# Altium PCB 瓦力驱动.PcbDoc (part 2 of 2)
Units mm, origin at the board's own origin, x right, y up, seen from the top; angles counter-clockwise.
Board outline 99.95 x 90 mm, 2 copper layers (Top Layer, Bottom Layer); 138 components, 102 nets, 483 pads, 250 vias.
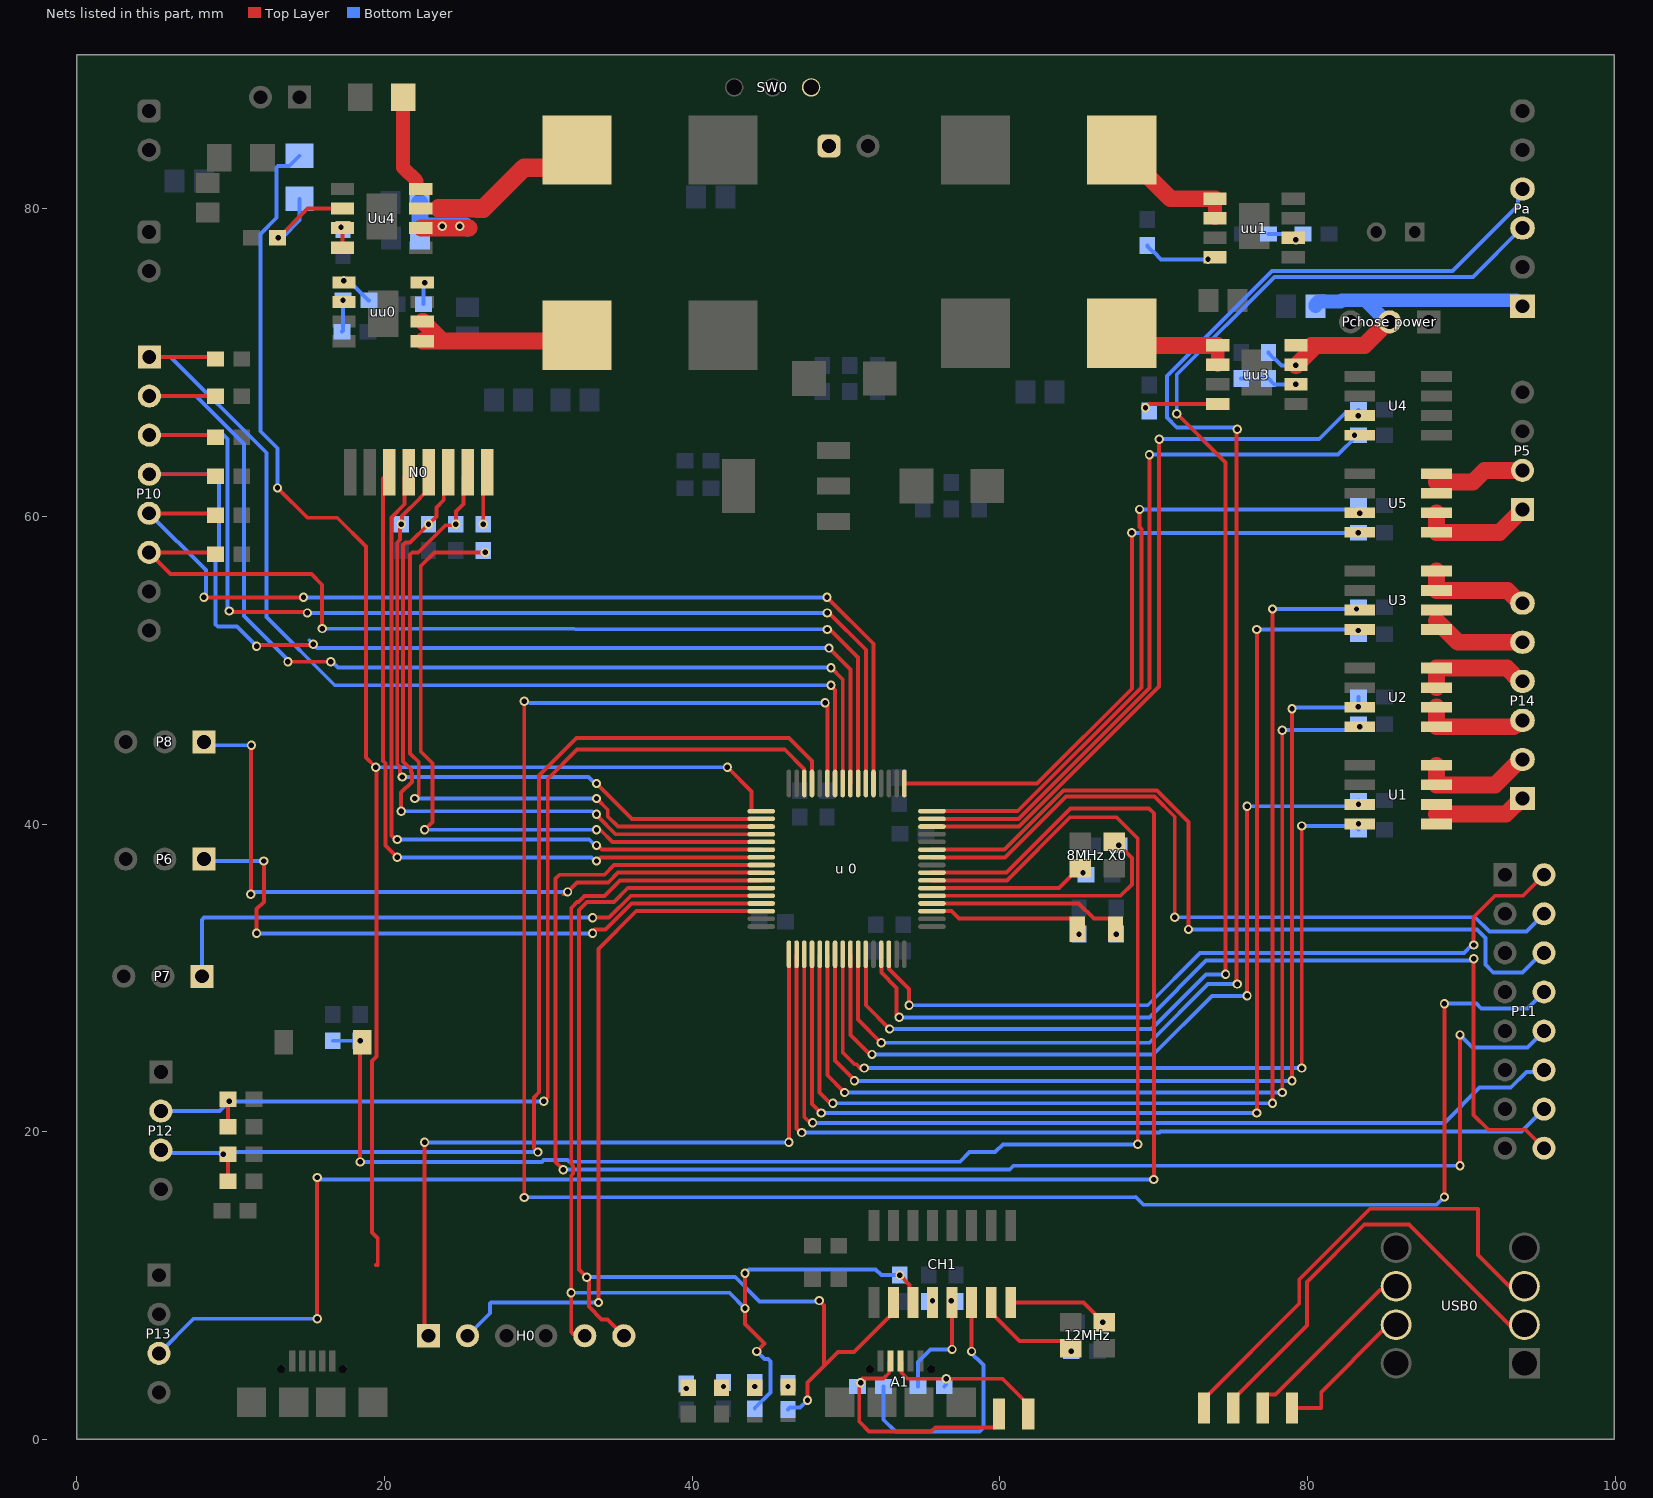
[diagram p2: the nets of this part, all layers, seen from the top]

## Via types
v1: diameter 0.6, hole 0.35, Top Layer to Bottom Layer, 246 vias
v2: diameter 3, hole 2.5, Top Layer to Bottom Layer, 4 vias

## Nets (pads, with @x,y where several pads share a name; then routed paths per layer and width w, separated by ;. In a path a pad name is that pad's centre, name@x,y a point inside that pad or via, vN(x,y) a via of type N, cw(c..) or ccw(c..) an arc to the next point about the centre after c; other vN are vias at no path point) (continued)
M2A: P5.2 U5.7 U5.8 | length 5.9
  Top Layer w1.1: 88.392,62.23 90.751,62.23 91.513,62.992 P5.2@93.98,62.992
M2B: P5.1 U5.5 U5.6 | length 7.5
  Top Layer w1.1: U5.6@88.392,60.23 U5.5@88.392,58.96 92.488,58.96 P5.1@93.98,60.452
MPU_CLS: "u 0.29" CC22.1 CR22.2 P12.3 | length 71.8
  Top Layer w0.254: CC22.1@9.818,16.764 CR22.2@9.818,18.542 ; v1@29.845,18.796 29.718,18.923 29.718,22.225 30.051,22.558 30.051,43.166 32.479,45.593 46.295,45.593 47.779,44.109 47.779,42.643 47.788,42.634
  Bottom Layer w0.254: P12.3@5.461,18.796 5.649,18.608 9.459,18.608 v1(9.525,18.542) 9.652,18.669 v1(29.972,18.669)
MPU_SDA: "u 0.30" CC23.1 CR23.2 P12.2 | length 66.7
  Top Layer w0.254: CR23.2@9.818,20.32 CC23.1@9.818,22.098 ; v1@30.48,22.098 30.61,22.228 30.61,42.929 32.512,44.831 46.016,44.831 47.279,43.567 47.279,42.643 47.288,42.634
  Bottom Layer w0.254: P12.2@5.461,21.336 9.271,21.336 v1(9.906,21.971) v1(30.353,21.971)
Net3.7V电池_1: 3.7V电池.1 SW0.3
Net12MHz_1: 12MHz.1 CC17.2 CH1.7 | length 6.8
  Top Layer w0.254: CH1.7@59.436,8.89 59.436,8.24 61.283,6.393 64.129,6.393 12MHz.1@64.602,5.92
  other v1: 64.643,5.715
Net12MHz_2: 12MHz.2 CC18.2 CH1.8 | length 6.6
  Top Layer w0.254: CH1.8@60.706,8.89 65.432,8.89 v1(66.702,7.62) 12MHz.2@66.802,7.62
NetA1_2: A1.2 CR7.1 H7.1 | length 15.8
  Top Layer w0.254: A1.2@52.887,5.088 52.814,5.015 52.814,4.328 52.447,3.961 51.066,3.961 50.788,3.683 50.864,3.607 50.864,1.152 51.508,0.508 55.537,0.508 55.807,0.778 59.671,0.778 59.944,1.051 H7.1@59.944,1.651
  other v1: 50.949,3.683
NetA1_3: A1.3 CR6.1 H6.1 | length 11.1
  Top Layer w0.254: A1.3@53.537,5.088 53.61,5.015 53.61,4.328 54.001,3.937 v1(56.515,3.937) 60.163,3.937 61.849,2.251 H6.1@61.849,1.651
  Bottom Layer w0.254: CR6.1@56.388,3.429 56.515,3.556 v1(56.515,3.937)
NetC4_2: C4.2 R0.2 Uu4.6 | length 7.8
  Top Layer w1.1: Uu4.6@22.353,78.74 25.5,78.74
  Bottom Layer w1.1: R0.2@22.286,80.391 22.303,80.374 22.303,78.867 25.273,78.867 25.4,78.74
  other v1: 23.749,78.867 24.892,78.867
NetC10_1: "Pchose power.2" C10.1 Pa.1 R13.1 uu3.7 uu3.8 | length 25.5
  Top Layer w1.1: v1(79.248,69.811) 80.264,70.827 80.264,71.12 83.712,71.12 85.236,72.644 85.344,72.644
  Bottom Layer w0.254: R13.1@77.47,70.661 77.47,70.611 77.843,70.238 77.893,70.238 78.32,69.811 v1@79.121,69.811
  Bottom Layer w0.9: C10.1@80.518,73.66 80.518,73.76 80.718,73.96 82.14,73.96 82.224,74.044 83.782,74.044 ; 85.344,72.644 85.182,72.644 83.782,74.044 ; Pa.1@93.98,73.66 93.596,74.044 83.782,74.044
NetCC19_2: CC19.2 CH1.4
  other v1: 55.626,9.017
NetCH1_5: CH1.5 CR6.2 CR8.1 | length 7.2
  Top Layer w0.254: v1(56.896,5.842) CH1.5@56.896,8.89
  Bottom Layer w0.254: CR6.2@54.688,3.429 54.688,5.031 55.499,5.842 v1(56.896,5.842)
  other v1: 56.848,9.017
NetCH1_6: CH1.6 CR7.2 | length 17.8
  Top Layer w0.254: v1(58.166,5.715) CH1.6@58.166,8.89
  Bottom Layer w0.254: CR7.2@52.451,3.429 52.451,1.27 53.213,0.508 58.674,0.508 58.928,0.762 58.928,4.826 58.039,5.715 v1(58.166,5.715) v1@58.293,5.715
NetCR4_1: CR4.1 LED0.2
  other v1: 42.037,3.429
NetCR5_1: "LED P.2" CR5.1
  other v1: 39.624,3.302
NetCR9_2: "LED 1.2" CR9.2
  other v1: 44.069,3.429
NetCR10_2: "LED 2.2" CR10.2
  other v1: 46.228,3.429
NetCR30_1: CR30.1 N0.8 | length 3.5
  Top Layer w0.254: v1(26.416,59.485) 26.416,62.611 N0.8@26.67,62.865
NetH1_1: H1.1 USB0.7 | length 8.8
  Top Layer w0.254: H1.1@78.994,2.032 80.899,2.032 80.899,3.086 USB0.7@85.012,7.199
NetH2_1: H2.1 USB0.6 | length 11.5
  Top Layer w0.254: H2.1@77.089,2.032 77.089,2.632 77.362,2.905 77.914,2.905 84.708,9.699 USB0.6@85.012,9.699
NetH3_1: H3.1 USB0.2 | length 27.9
  Top Layer w0.254: H3.1@75.184,2.032 75.184,2.632 79.96,7.408 79.96,10.237 83.693,13.97 86.591,13.97 USB0.2@93.362,7.199
NetH4_1: H4.1 USB0.3 | length 30.7
  Top Layer w0.254: H4.1@73.279,2.032 73.279,2.632 79.466,8.819 79.466,10.385 84.067,14.986 91.074,14.986 91.074,11.987 USB0.3@93.362,9.699
NetL0_2: L0.2 uu0.1 uu0.2 | length 12.1
  Top Layer w1.1: uu0.1@22.452,71.393 23.772,71.393 ; uu0.2@22.452,72.663 22.502,72.663 23.772,71.393 ; L0.2@32.512,71.774 32.131,71.393 23.772,71.393
NetL1_2: L1.2 uu1.1 uu1.2 | length 8.7
  Top Layer w0.9: uu1.2@73.994,79.375 uu1.1@73.994,80.645
  Top Layer w1.1: L1.2@67.92,83.82 71.095,80.645 uu1.1@73.994,80.645
NetL2_2: L2.2 uu3.1 uu3.2 | length 7.8
  Top Layer w0.9: uu3.2@74.168,69.85 uu3.1@74.168,71.12
  Top Layer w1.1: L2.2@67.92,71.901 68.701,71.12 uu3.1@74.168,71.12
NetL3_1: L3.1 Uu4.7 | length 10.6
  Top Layer w1.2: 23.534,80.02 26.03,80.02 26.04,80.01 26.416,80.01 29.083,82.677 31.369,82.677 L3.1@32.512,83.82
NetR6_2: R6.2 uu0.4 | length 1.4
  Bottom Layer w0.254: v1@22.479,75.184 22.528,75.135 R6.2@22.528,73.787
  other v1: 22.606,75.184
NetR7_2: R7.2 R8.1 uu0.6 | length 2.1
  Bottom Layer w0.254: R7.2@17.223,72.009 17.297,72.083 v1(17.297,74.041)
NetR8_2: R8.2 uu0.5 | length 2.1
  Bottom Layer w0.254: v1@17.399,75.311 17.677,75.311 18.947,74.041 R8.2@18.997,74.041
  other v1: 17.35,75.311
NetR9_2: R9.2 uu1.4 | length 4.2
  Bottom Layer w0.254: R9.2@69.596,77.597 69.596,77.547 69.969,77.174 70.019,77.174 70.485,76.708 v1@73.406,76.708
  other v1: 73.533,76.708
NetR10_2: R10.2 R11.1 uu1.6 | length 2.2
  Bottom Layer w0.254: R10.2@77.47,78.359 R11.1@79.707,78.359
  other v1: 79.248,77.978
NetR12_2: R12.2 uu3.4 | length 4.8
  Top Layer w0.254: v1(69.469,67.056) 69.723,67.31 uu3.4@74.168,67.31
NetR13_2: R13.2 R14.1 uu3.6 | length 3.7
  Bottom Layer w0.254: R14.1@75.692,68.961 R13.2@77.47,68.961 77.47,68.953 77.843,68.58 v1(79.249,68.58)
NetR15_2: R15.2 Uu4.3 Uu4.4 | length 1.3
  Top Layer w0.254: Uu4.4@17.272,77.47 Uu4.3@17.272,78.74
  other v1: 17.17,78.789
NetRchoose_1: Rchoose.1 Uu4.8 | length 6.6
  Top Layer w0.9: Rchoose.1@21.209,87.249 21.209,82.677 22.098,81.788 22.098,81.33 22.148,81.28 Uu4.8@22.353,81.28
NRST: "u 0.7" CC5.2 CR1.2 K0.2 | length 96.3
  Top Layer w0.254: v1(18.415,18.034) 18.415,25.696 K0.2@18.542,25.823 ; 55.588,36.334 60.464,36.334 64.566,40.436 67.597,40.436 68.964,39.069 68.964,19.18 v1(68.961,19.177)
  Bottom Layer w0.254: CC5.2@16.637,25.908 v1(18.415,25.908) ; v1(18.415,18.034) 30.224,18.034 30.343,18.153 31.883,18.153 31.994,18.042 57.412,18.042 58.039,18.669 59.69,18.669 60.198,19.177 v1(68.961,19.177)
OCS_32_IN: "32KHz X0.2" "u 0.3" CC3.2 | length 10.1
  Top Layer w0.254: 55.588,34.334 56.869,34.334 57.358,33.845 64.651,33.845 65.024,33.472 65.024,33.147
  other v1: 65.151,32.844
OCS_32_OUT: "32KHz X0.1" "u 0.4" CC4.2 | length 12.8
  Top Layer w0.254: 55.588,34.834 65.124,34.834 66.113,33.845 67.151,33.845 67.524,33.472 67.524,33.147
  other v1: 67.564,32.844
OCS_IN: "8MHz X0.1" "u 0.5" CC1.2 | length 16.6
  Top Layer w0.254: 55.588,35.334 67.846,35.334 68.58,36.068 68.58,37.791 67.537,38.834 67.437,38.834
  other v1: 67.74,38.608
OCS_OUT: "8MHz X0.2" "u 0.6" CC2.2 | length 10.2
  Top Layer w0.254: 55.588,35.834 63.837,35.834 65.137,37.134 65.237,37.134
  other v1: 65.405,36.83
PA0: "u 0.14" C18.2 U4.3 | length 48.4
  Top Layer w0.254: 55.588,39.834 61.249,39.834 70.358,48.943 v1(70.358,65.02)
  Bottom Layer w0.254: v1(70.358,65.02) 80.768,65.02 82.423,66.675 83.058,66.675 C18.2@83.312,66.929
  other v1: 83.298,66.548
PA1: "u 0.15" CR19.2 U4.4 | length 46.5
  Top Layer w0.254: 55.588,40.334 61.206,40.334 69.723,48.851 v1@69.723,63.754
  Bottom Layer w0.254: v1(69.723,64.008) 81.992,64.008 CR19.2@83.16,65.176 ; CR19.2@83.262,65.278 CR19.2@83.312,65.278
  other v1: 83.058,65.278
PA2: "u 0.16" CR20.2 U5.3 | length 42.9
  Top Layer w0.254: 55.588,40.834 61.163,40.834 69.207,48.878 69.207,59.188 69.088,59.307 v1@69.088,60.325
  Bottom Layer w0.254: v1(69.088,60.452) 83.044,60.452 83.298,60.198 v1(83.392,60.198)
PA3: "u 0.17" CR21.2 U5.4 | length 42.3
  Top Layer w0.254: 53.788,42.634 62.42,42.634 68.58,48.794 68.58,58.839 v1@68.701,58.96
  Bottom Layer w0.254: v1(68.58,58.928) v1(83.312,58.928)
PA5\: "u 0.21" CR25.1 P10.5 | length 65.3
  Top Layer w0.254: P10.5@4.699,60.198 8.89,60.198 CR25.1@9.017,60.071 ; v1(8.255,54.737) v1(14.732,54.737) ; v1(48.768,54.737) 51.788,51.717 51.788,42.634
  Bottom Layer w0.254: P10.5@4.699,60.198 8.382,56.515 8.382,54.864 v1(8.255,54.737) ; v1(14.732,54.737) v1(48.768,54.737)
PA6: "u 0.22" CR27.1 P10.3 | length 72
  Top Layer w0.254: P10.3@4.709,65.278 8.89,65.278 CR27.1@9.017,65.151 ; v1(9.906,53.848) 9.97,53.785 14.922,53.785 v1(14.986,53.721) ; v1@48.895,53.721 51.288,51.328 51.288,42.634
  Bottom Layer w0.254: P10.3@4.709,65.278 9.521,65.278 9.779,65.02 9.779,53.975 v1(9.906,53.848) ; v1@14.859,53.594 v1(14.986,53.721) v1(48.788,53.721)
PA7: "u 0.23" CR24.1 P10.6 | length 63
  Top Layer w0.254: CR24.1@9.017,57.531 8.89,57.658 P10.6@4.699,57.658 6.096,56.261 15.24,56.261 15.947,55.554 v1(15.947,52.705) ; v1@48.895,52.705 50.788,50.812 50.788,42.634
  Bottom Layer w0.254: v1(15.947,52.705) v1(48.788,52.642)
PA8: "u 0.41" P8.1 | length 47
  Top Layer w0.254: v1(11.303,35.433) 11.325,35.455 11.325,45.096 v1(11.347,45.118) ; 31.623,35.433 31.774,35.584 v1(31.903,35.584) 32.517,36.197 34.546,36.197 35.183,36.834 44.488,36.834
  Bottom Layer w0.254: P8.1@8.255,45.339 8.476,45.118 v1(11.347,45.118) ; v1(11.303,35.433) 11.454,35.584 v1(31.903,35.584)
PA9: "u 0.42" CH1.3 CR9.1 CR11.1 H0.5 | length 75.6
  Top Layer w0.254: 32.258,6.858 32.139,6.977 32.139,17.155 32.25,17.266 32.25,17.786 32.139,17.897 32.139,34.552 32.512,34.925 32.609,34.925 33.002,35.319 34.303,35.319 35.318,36.334 44.488,36.334 ; v1(43.434,10.795) v1(43.434,8.509) 43.434,7.493 44.704,6.223 v1(44.196,5.715) ; v1(53.506,10.668) 54.133,10.041 54.133,9.113 CH1.3@54.356,8.89
  Bottom Layer w0.254: v1(32.131,9.525) 42.418,9.525 v1(43.434,8.509) ; v1(43.434,10.795) 43.688,11.049 51.926,11.049 52.307,10.668 v1(53.506,10.668) ; CR9.1@44.069,1.983 44.069,2.033 45.084,3.048 45.084,5.058 44.935,5.207 44.704,5.207 v1(44.196,5.715)
PA10: "u 0.43" CH1.2 CR10.1 H0.6 | length 72.4
  Top Layer w0.254: H0.6@35.56,6.731 34.491,7.8 34.112,7.8 33.282,8.63 33.282,10.406 32.639,11.049 32.639,12.192 32.649,12.202 32.649,34.422 33.161,34.935 34.915,34.935 35.814,35.833 44.487,35.833 ; v1(47.498,2.54) 47.498,3.681 48.578,4.762 ; v1(48.26,9.017) 48.578,8.699 48.578,4.762 ; CH1.2@53.086,8.89 53.086,8.24 50.511,5.665 49.482,5.665 48.578,4.762
  Bottom Layer w0.254: v1(33.147,10.541) 42.801,10.541 44.374,8.968 v1@48.133,8.968 ; CR10.1@46.228,1.944 46.342,2.058 47.016,2.058 v1(47.498,2.54)
PA11: "u 0.44" P7.1 | length 40.7
  Top Layer w0.254: v1(33.528,33.909) 34.592,33.909 36.017,35.334 44.488,35.334
  Bottom Layer w0.254: P7.1@8.128,30.099 8.128,33.76 8.277,33.909 v1(33.528,33.909)
PA12: "u 0.45" P6.1 | length 42.5
  Top Layer w0.254: v1(11.684,32.893) 11.684,34.464 12.155,34.935 v1(12.155,37.592) ; v1(33.528,32.893) 33.528,32.987 33.677,33.135 33.677,33.147 34.373,33.147 36.06,34.834 44.488,34.834
  Bottom Layer w0.254: P6.1@8.255,37.719 8.382,37.592 v1(12.155,37.592) ; v1(11.684,32.893) v1(33.528,32.893)
PA13: "u 0.46" H0.2 | length 44.4
  Top Layer w0.254: v1(33.909,8.89) 33.909,31.877 36.366,34.334 44.488,34.334
  Bottom Layer w0.254: H0.2@25.4,6.731 26.863,8.194 26.863,8.829 26.924,8.89 v1(33.909,8.89)
PA14: "u 0.49" H0.1 | length 48.8
  Top Layer w0.254: v1(22.606,19.304) 22.606,6.985 H0.1@22.987,6.604 ; v1(46.288,19.304) 46.288,31.534
  Bottom Layer w0.254: v1(22.606,19.304) v1(46.288,19.304)
PA15: "u 0.50" P11.14 | length 60.7
  Top Layer w0.254: 46.788,31.534 46.788,20.215 47.064,19.939 v1(47.117,19.939)
  Bottom Layer w0.254: v1(47.117,19.939) 70.392,19.939 70.453,20 93.914,20 P11.14@95.377,21.463
PB0: "u 0.26" CR29.1 P10.1 | length 70.3
  Top Layer w0.254: P10.1@4.709,70.358 8.89,70.358 CR29.1@9.017,70.231 ; v1(49.022,49.022) 49.022,48.99 49.288,48.724 49.288,42.634
  Bottom Layer w0.254: P10.1@4.709,70.358 6.096,70.358 12.319,64.135 12.319,53.467 16.764,49.022 v1(49.022,49.022)
PB1: "u 0.27" P11.8 | length 137
  Top Layer w0.254: v1(29.083,15.716) v1(29.083,47.974) ; v1(48.641,47.879) 48.788,47.732 48.788,42.634 ; v1(88.9,15.748) v1(88.9,28.321)
  Bottom Layer w0.254: v1(29.083,15.716) 68.834,15.748 69.334,15.248 88.4,15.248 v1(88.9,15.748) ; v1(29.083,47.974) 29.464,47.879 v1(48.641,47.879) ; v1(88.9,28.321) 90.981,28.321 91.296,28.006 94.3,28.006 P11.8@95.377,29.083
PB3: "u 0.55" CR14.2 U2.3 | length 66.2
  Top Layer w0.254: 49.288,31.534 49.288,24.626 50.546,23.368 v1(50.546,23.304) v1@50.546,23.241 ; v1(78.994,23.304) v1@78.994,47.371
  Bottom Layer w0.254: v1(50.546,23.304) 78.803,23.304 v1@78.867,23.241 ; v1(78.994,47.498) 79.057,47.561 83.248,47.561 v1(83.312,47.625) CR14.2@83.312,48.26
PB4: "u 0.56" CR13.2 U1.4 | length 56.3
  Top Layer w0.254: 49.788,31.534 49.788,25.142 50.546,24.384 50.673,24.384 50.949,24.108 51.159,24.108 v1(51.181,24.13) ; v1(79.629,24.13) 79.629,39.751 v1@79.756,39.878
  Bottom Layer w0.254: v1(51.181,24.13) v1(79.629,24.13) ; v1(79.629,39.878) 83.058,39.878 CR13.2@83.312,39.624
  other v1: 83.32,40.005
PB5: "u 0.57" CR12.2 U1.3 | length 52.5
  Top Layer w0.254: 50.288,31.534 50.288,26.293 v1@51.435,25.146 ; v1(76.073,28.829) v1(76.073,41.148)
  Bottom Layer w0.254: v1(51.689,25.019) 69.977,25.019 73.787,28.829 v1(76.073,28.829) ; v1(76.073,41.148) 76.081,41.156 82.939,41.156 CR12.2@83.312,41.529
  other v1: 83.32,41.275
PB6: "u 0.58" Pa.4 | length 103.1
  Top Layer w0.254: 50.788,31.534 50.788,27.281 v1(52.288,25.781) ; v1@75.381,65.659 75.381,29.648 v1(75.438,29.591)
  Bottom Layer w0.254: v1(52.288,25.781) 69.723,25.781 73.533,29.591 v1(75.438,29.591) ; v1@75.184,65.786 71.503,65.786 70.874,66.415 70.874,69.129 77.691,75.946 89.441,75.946 93.692,80.196 93.692,80.992 Pa.4@93.98,81.28
  other v1: 75.438,65.659
PB7: "u 0.59" Pa.3 | length 95.5
  Top Layer w0.254: 51.288,31.534 51.288,28.214 v1(52.832,26.67) ; v1(71.501,66.675) 74.676,63.5 v1(74.676,30.226)
  Bottom Layer w0.254: v1(52.832,26.67) 69.85,26.67 73.406,30.226 v1(74.676,30.226) ; v1(71.501,66.675) 71.501,69.213 77.85,75.562 90.752,75.562 93.93,78.74 Pa.3@93.98,78.74
PB8: "u 0.61" P11.16 | length 59.2
  Top Layer w0.254: 52.288,31.534 52.297,31.525 52.297,30.336 53.288,29.345 53.288,27.581 53.437,27.432 v1(53.467,27.432) ; v1(90.805,31.242) 90.805,21.082 91.765,20.122 94.178,20.122 P11.16@95.377,18.923
  Bottom Layer w0.254: v1(53.467,27.432) 69.73,27.432 73.413,31.115 90.678,31.115 v1(90.805,31.242)
PB9: "u 0.62" P11.2 | length 49.8
  Top Layer w0.254: 52.788,31.534 52.797,31.525 52.797,30.572 54.102,29.267 54.102,28.321 v1@53.975,28.194 ; v1(90.805,32.131) 90.805,33.937 92.202,35.334 94.008,35.334 P11.2@95.377,36.703
  Bottom Layer w0.254: v1(54.102,28.214) 69.616,28.214 73.025,31.623 90.17,31.623 90.678,32.131 v1(90.805,32.131)
PB12: "u 0.33" Rchoose2.1 | length 105.3
  Top Layer w0.254: v1(13.042,61.849) 14.98,59.911 16.924,59.911 18.796,58.039 18.796,44.323 v1(19.431,43.688) 19.469,43.65 19.469,24.887 19.177,24.595 19.177,13.454 19.55,13.081 19.558,13.081 19.558,11.327 19.456,11.327 19.469,11.314 19.519,11.314 ; v1(42.291,43.688) 43.865,42.114 43.865,40.855 43.886,40.834 44.488,40.834
  Bottom Layer w0.254: v1(13.042,61.849) 13.042,64.428 11.938,65.532 11.938,78.359 12.989,79.41 12.989,82.677 13.084,82.772 13.805,82.772 Rchoose2.1@14.478,83.445 ; v1(19.431,43.688) v1(42.291,43.688)
PB13: "u 0.34" CR31.1 N0.5 | length 45.2
  Top Layer w0.254: v1@20.955,43.053 21.016,43.114 21.016,43.719 20.826,43.909 20.826,44.266 20.825,44.267 20.825,58.303 21.016,58.494 21.016,59.419 v1(21.082,59.485) 21.148,59.551 21.148,60.01 22.324,61.186 22.324,61.235 22.86,61.772 N0.5@22.86,62.865 ; v1(33.782,42.634) 36.082,40.334 44.488,40.334
  Bottom Layer w0.254: v1(21.148,43.053) 33.269,43.053 33.688,42.634 v1(33.782,42.634)
PB14: "u 0.35" CR32.1 N0.7 | length 47.2
  Top Layer w0.254: v1(21.971,41.656) 22.225,41.91 22.225,44.02 21.668,44.577 21.668,57.509 21.817,57.658 22.193,57.658 23.957,59.422 24.575,59.422 v1(24.638,59.485) 24.638,60.325 25.12,60.807 25.12,62.585 N0.7@25.4,62.865 ; v1(33.782,41.656) 34.514,40.924 34.514,40.499 35.179,39.834 44.488,39.834
  Bottom Layer w0.254: v1(21.971,41.656) v1(33.782,41.656)
PB15: "u 0.36" CR33.1 N0.6 | length 48.1
  Top Layer w0.254: v1(21.082,40.826) 21.082,42.037 21.775,42.73 21.775,43.313 21.717,43.371 21.717,43.561 21.21,44.068 21.21,44.425 21.209,44.426 21.209,58.144 21.358,58.293 21.668,58.293 v1(22.86,59.485) 23.368,59.993 23.368,60.579 23.85,61.061 23.85,62.585 N0.6@24.13,62.865 ; v1(33.782,40.64) 33.876,40.64 33.876,40.474 35.016,39.334 44.488,39.334
  Bottom Layer w0.254: v1(21.082,40.826) 33.502,40.826 33.688,40.64 v1(33.782,40.64)
PC0: "u 0.8" P13.3 | length 114.9
  Top Layer w0.254: v1(15.621,7.834) v1(15.621,17.018) ; 55.588,36.834 60.421,36.834 64.593,41.006 69.708,41.006 70.014,40.701 v1(70.014,16.891)
  Bottom Layer w0.254: P13.3@5.334,5.588 7.58,7.834 v1(15.621,7.834) ; v1(15.621,17.018) 15.748,16.891 v1(70.014,16.891)
PC2: "u 0.10" P11.4 | length 49.4
  Top Layer w0.254: 55.588,37.834 60.335,37.834 64.293,41.792 70.051,41.792 71.374,40.469 v1(71.374,33.937)
  Bottom Layer w0.254: v1(71.374,33.937) 90.904,33.937 91.821,33.02 94.234,33.02 P11.4@95.377,34.163
PC3: "u 0.11" P11.6 | length 51.9
  Top Layer w0.254: 55.588,38.334 60.292,38.334 64.134,42.176 70.21,42.176 72.263,40.123 v1(72.263,33.147)
  Bottom Layer w0.254: v1(72.263,33.147) 91.01,33.147 91.567,32.59 91.567,30.861 92.075,30.353 93.98,30.353 95.25,31.623 P11.6@95.377,31.623
PC4: "u 0.24" CR26.1 P10.4 | length 69.1
  Top Layer w0.254: P10.4@4.709,62.738 8.89,62.738 CR26.1@9.017,62.611 ; v1(11.684,51.562) 11.747,51.625 15.303,51.625 v1(15.367,51.689) ; v1(48.895,51.435) 50.288,50.042 50.288,42.634
  Bottom Layer w0.254: P10.4@4.709,62.738 9.249,62.738 9.249,57.752 9.017,57.52 9.017,52.981 9.166,52.832 10.414,52.832 v1(11.684,51.562) ; 15.113,51.943 v1(15.367,51.689) 15.621,51.435 v1(48.895,51.435)
PC5: "u 0.25" CR28.1 P10.2 | length 70.3
  Top Layer w0.254: P10.2@4.709,67.818 CR28.1@9.017,67.818 ; v1(13.716,50.546) v1(16.497,50.546) ; v1(49.022,50.165) 49.788,49.399 49.788,42.634
  Bottom Layer w0.254: P10.2@4.709,67.818 7.747,67.818 10.859,64.706 10.859,53.53 v1@13.716,50.673 ; v1(16.497,50.546) 16.591,50.546 16.972,50.165 v1(49.022,50.165)
PC6: "u 0.37" CR30.2 | length 44.4
  Top Layer w0.254: v1(22.606,39.624) 23.114,40.132 23.114,43.952 22.353,44.713 22.353,56.769 23.242,57.658 v1(26.543,57.658) ; v1(33.782,39.624) 34.024,39.624 34.814,38.834 44.488,38.834
  Bottom Layer w0.254: v1(22.606,39.624) v1(33.782,39.624)
PC7: "u 0.38" N0.4 | length 48.4
  Top Layer w0.254: v1@20.715,38.989 20.455,39.249 20.455,43.737 20.442,43.75 20.442,44.107 20.441,44.108 20.441,58.462 20.455,58.476 20.455,59.931 21.31,60.786 21.31,62.585 N0.4@21.59,62.865 ; v1(33.782,38.608) 33.876,38.608 34.15,38.334 44.488,38.334
  Bottom Layer w0.254: v1(20.828,38.989) 33.307,38.989 33.688,38.608 v1(33.782,38.608)
PC8: "u 0.39" N0.3 | length 49.4
  Top Layer w0.254: N0.3@20.32,62.865 19.912,62.457 19.912,44.094 20.058,43.948 20.058,38.604 20.715,37.947 v1@20.715,37.848 ; v1(33.782,37.592) 34.024,37.834 44.488,37.834
  Bottom Layer w0.254: v1(20.828,37.834) 33.446,37.834 33.688,37.592 v1(33.782,37.592)
PC9: "u 0.40" P11.10 | length 106
  Top Layer w0.254: v1(31.623,17.526) 31.123,18.026 31.123,36.444 31.382,36.703 34.29,36.703 34.921,37.334 44.488,37.334 ; v1(89.916,17.78) v1(89.916,26.289)
  Bottom Layer w0.254: v1(31.623,17.526) 60.642,17.526 60.896,17.78 v1(89.916,17.78) ; v1(89.916,26.289) 90.739,25.466 94.3,25.466 P11.10@95.377,26.543
PC10: "u 0.51" P11.12 | length 60.3
  Top Layer w0.254: 47.288,31.534 47.288,20.947 v1@47.788,20.447
  Bottom Layer w0.254: v1(47.83,20.574) 88.9,20.574 91.186,22.86 93.217,22.86 94.246,23.889 95.263,23.889 P11.12@95.377,24.003
PC11: "u 0.52" CR17.2 U3.4 | length 77
  Top Layer w0.254: 47.788,31.534 47.788,21.808 v1(48.387,21.209) ; v1(76.708,21.209) v1(76.708,52.642)
  Bottom Layer w0.254: v1(48.387,21.209) v1(76.708,21.209) ; v1(76.708,52.642) 83.248,52.642 v1(83.312,52.578)
PC12: "u 0.53" CR16.2 U3.3 | length 76.4
  Top Layer w0.254: 48.288,31.534 48.288,22.542 v1@49.022,21.808 ; v1@77.597,53.975 77.724,53.848 v1(77.724,21.844)
  Bottom Layer w0.254: v1(49.149,21.844) v1(77.724,21.844) ; v1(77.724,53.975) v1(83.185,53.975) CR16.2@83.312,54.102
PD2: "u 0.54" CR15.2 U2.4 | length 66.8
  Top Layer w0.254: 48.788,31.534 48.788,23.665 49.798,22.655 49.798,22.62 v1@49.784,22.606 ; v1(78.359,22.542) v1(78.359,46.101)
  Bottom Layer w0.254: v1(49.911,22.542) 78.296,22.542 v1@78.359,22.479 ; v1(78.359,46.101) 79.04,46.101 79.048,46.109 83.32,46.109 83.439,46.228 83.312,46.355 CR15.2@83.312,46.482
  other v1: 83.392,46.323
SETA1-out: P14.5 U3.5 U3.6 | length 6.2
  Top Layer w1.1: 88.392,53.213 89.789,51.816 P14.5@93.98,51.816
SETA2-out: P14.6 U3.7 U3.8 | length 7.2
  Top Layer w1.1: U3.8@88.392,56.451 U3.7@88.392,55.181 92.996,55.181 93.822,54.356 P14.6@93.98,54.356
SETB1-out: P14.3 U2.5 U2.6 | length 7
  Top Layer w1.1: U2.6@88.392,47.593 U2.5@88.392,46.323 93.409,46.323 93.822,46.736 P14.3@93.98,46.736
SETB2-out: P14.4 U2.7 U2.8 | length 7.2
  Top Layer w1.1: U2.7@88.392,48.863 U2.8@88.392,50.133 92.965,50.133 93.822,49.276 P14.4@93.98,49.276
SETC1-out: P14.1 U1.5 U1.6 | length 6
  Top Layer w1.1: 88.392,40.64 92.914,40.64 93.93,41.656 P14.1@93.98,41.656
SETC2-out: P14.2 U1.7 U1.8 | length 7.5
  Top Layer w1.1: U1.8@88.392,43.815 U1.7@88.392,42.545 92.187,42.545 93.838,44.196 P14.2@93.98,44.196
USB_in: LED5.1 Rchoose2.2 Uu4.2 | length 8.2
  Top Layer w0.254: v1(13.092,78.105) 14.997,80.01 Uu4.2@17.272,80.01
  Bottom Layer w0.254: v1(13.092,78.105) 13.158,78.171 13.401,78.171 14.478,79.248 Rchoose2.2@14.478,80.645
pads on no net: A0.0 A0.2 A0.3 A0.4 A0.6 A0.7 A0.8 A0.9 A1.0 A1.4 A1.6 A1.7 A1.8 A1.9 CH1.9 CH1.10 CH1.11 CH1.12 CH1.13 CH1.14 CH1.15 Pa.5 SW0.1 uu0.9 uu1.9 uu3.9 Uu4.5
copper on no net:
  other v2: 25.5,26 74.5,26 25.5,84.5 74.5,84.5

## Polygon pours and split planes (outlines as drawn)
GND on Bottom Layer "Bottom Layer-GND" (solid, pour order 6): 0.127,89.09 98.552,89.09 98.552,0.064 98.806,-0.191 0.127,-0.191
no net on Bottom Layer "Bottom Layer-No Net" (solid, pour order 2): 12.192,12.446
no net on Bottom Layer "Bottom Layer-No Net 1" (solid, pour order 0): 40.005,83.185
no net on Top Layer (solid, pour order 8): 42.012,86.487
GND on Top Layer "Top Layer-GND" (solid, pour order 4): 0.826,89.535 98.996,89.535 99.758,88.773 99.758,0.762 1.714,0.762 0.699,1.778

## Keep-outs
Keep-Out Layer:
  lines w0.254: 99.949,90 0,90 0,0 99.949,0 100,90 ; 45.085,72.39 45.212,72.39 45.466,72.136 47.688,72.136 52.133,72.136 54.356,72.136 55.118,72.898 55.118,74.295 55.118,76.962 54.737,77.343 46.101,77.343 45.593,77.343 45.085,76.835 45.085,76.327 45.085,72.39

## Other copper
Top Layer:
  rectangle net 5V: 11.938,69.596 15.24,76.708
  rectangle net Net3.7V电池_1: 47.244,83.185 49.726,88.773
  rectangle net BAT: 45.974,78.486 60.706,82.931
  rectangle net BAT: 42.291,78.486 46.736,86.487
  rectangle net GND: 45.847,33.02 54.133,41.275
  rectangle net 5VBAT: 12.192,10.541 13.843,12.319
  rectangle net 5V: 2.921,73.025 12.192,76.708
  rectangle net 5VBAT: 3.429,82.804 8.128,84.709
  rectangle net 5VBAT: 7.239,81.153 9.283,86.487
  rectangle net 5V: 11.684,66.802 50.546,68.707
  rectangle net 5V: 11.684,68.58 19.431,70.358
  rectangle net BAT: 28.448,75.311 41.021,78.486
  rectangle net BAT: 56.134,74.041 60.706,78.74
  rectangle net BAT: 39.751,73.787 44.196,79.121
Bottom Layer:
  rectangle net Net3.7V电池_1: 47.244,83.312 49.657,88.773
  rectangle net BAT: 43.815,86.233 46.609,88.9
  rectangle net BAT: 45.974,78.486 49.53,83.058
  rectangle net BAT: 42.037,78.486 46.736,86.487
  rectangle net GND: 45.847,33.147 54.102,41.148
  rectangle net 5VBAT: 12.192,10.541 14.224,12.446
  rectangle net 5V: 48.006,66.675 52.578,68.58
  rectangle net BAT: 28.448,75.311 33.528,78.359

## Silkscreen, mask and mechanical layers (free items; w line width, h text height)
Top Overlay:
  lines w0.254: 73.152,4.789 73.152,10.287 75.692,10.287 ; 75.057,4.699 75.057,7.493 75.184,7.62 76.2,7.62 ; 76.962,4.563 76.962,7.366 79.883,10.287 86.106,10.287 ; 78.867,4.572 78.867,7.834 86.487,7.834
  text "IIC PWM" at 89.916,81.28 h2 r90
  text "BAT" at 44.323,78.232 h2
  text "GND" at 51.943,78.232 h2
  text "GND" at 10.541,75.057 h2
  text "GND" at 80.01,74.168 h2
  text "CH" at 84.201,74.168 h2
  text "IN" at 87.757,74.168 h2
  text "SPI1 屏幕" at 14.859,70.758 h2.5 r270
  text "手臂电机" at 80.391,54.864 h3 r90
  text "20.3.1" at 51.181,50.165 h3
  text "机器人底盘驱动" at 34.036,50.133 h3
  text "io" at 7.874,46.863 h2
  text "GND" at 0.762,46.736 h2
  text "5V" at 5.08,46.736 h2
  text "@田小花" at 38.1,46.355 h3
  text "PA8" at 12.192,44.704 h2
  text "SPI2 NRF2401" at 16.51,43.307 h2.5
  text "底盘电机" at 80.518,40.513 h3 r90
  text "PA12" at 11.773,36.67 h2
  text "PB9" at 86.36,36.068 h2
  text "PC2" at 86.36,33.555 h2
  text "PC3" at 86.36,31.042 h2
  text "PA11" at 11.176,29.812 h2
  text "PC3" at 86.36,28.53 h2
  text "PC9" at 86.36,26.017 h2
  text "PC10" at 86.36,23.504 h2
  text "PA15" at 86.36,20.991 h2
  text "IIC2 陀螺仪" at 17.018,18.669 h2
  text "PB8" at 86.36,18.479 h2
  text "RXD" at 36.195,8.89 h2 r90
  text "TXD" at 33.655,8.763 h2 r90
  text "SWCLK" at 23.241,8.631 h2 r90
  text "SWDIO" at 25.908,8.631 h2 r90
  text "GND" at 28.321,8.636 h2 r90
  text "3V3" at 31.115,8.647 h2 r90
  text "E PC1" at 8.763,7.747 h2
  text "充电" at 15.367,7.112 h3
  text "串口" at 47.329,6.858 h3
  text "T PC0" at 8.763,5.461 h2
Bottom Overlay:
  text "GND" at 5.587,87.648 h2
  text "GND" at 92.71,87.249 h2
  text "BAT" at 49.276,86.233 h2
  text "GND" at 54.356,86.233 h2
  text "no" at 92.71,84.733 h2
  text "PB6" at 92.71,82.22 h2
  text "PB7" at 92.71,79.683 h2
  text "GND" at 5.714,79.52 h2
  text "3V3" at 92.71,77.191 h2
  text "5V" at 92.71,74.676 h2
  text "PB0" at 9.905,69.723 h2
  text "PA0" at 92.456,67.437 h2
  text "PC5" at 9.905,67.165 h2
  text "PA1" at 92.329,64.77 h2
  text "PA6" at 9.905,64.607 h2
  text "PA2" at 92.075,62.484 h2
  text "PC4" at 9.905,62.049 h2
  text "PA3" at 92.202,59.563 h2
  text "PA5" at 9.905,59.49 h2
  text "PA7" at 9.905,56.91 h2
  text "GND" at 9.905,54.374 h2
  text "PC12" at 92.456,53.594 h2
  text "3V3" at 9.905,51.816 h2
  text "PC11" at 92.456,51.054 h2
  text "PB3" at 92.456,48.768 h2
  text "PD2" at 92.456,45.974 h2
  text "PB5" at 92.329,43.561 h2
  text "PA8" at 9.906,42.634 h2
  text "PB4" at 92.329,40.894 h2
  text "GND" at 94.361,37.592 h2
  text "IO" at 97.028,37.592 h2
  text "PB9" at 91.144,36.068 h2
  text "PA12" at 10.267,35.184 h2
  text "PC2" at 91.144,33.582 h2
  text "PC3" at 91.144,31.097 h2
  text "PC3" at 91.144,28.611 h2
  text "PA11" at 10.414,27.686 h2
  text "PC9" at 91.144,26.126 h2
  text "PC10" at 91.144,23.64 h2
  text "GND" at 11.347,23.241 h2
  text "PA15" at 91.144,21.155 h2
  text "PA11" at 11.684,20.828 h2
  text "PB8" at 91.144,18.669 h2
  text "PA10" at 11.347,18.161 h2
  text "3V3" at 11.247,15.494 h2
  text "SWCLK" at 23.368,15.119 h2 r90
  text "SWDIO" at 25.654,14.959 h2 r90
  text "RXD" at 36.322,12.954 h2 r90
  text "GND" at 28.321,12.7 h2 r90
  text "TXD" at 33.655,12.7 h2 r90
  text "3V3" at 31.115,12.203 h2 r90
  text "E PC1" at 12.097,7.493 h2
  text "T PC0" at 12.192,5.08 h2

## Text inside footprints (layer, text, board x,y; h text height)
"8MHz X0": Top Overlay "*" at 69.596,40.817 h3 r180
12MHz: Top Overlay "*" at 62.443,3.937 h3
C0: Top Overlay "+" at 90.35,79.236 h4 r180
P11: Top Overlay "16" at 94.869,17.399 h1.27 r270; Top Overlay "15" at 92.329,17.399 h1.27 r270; Top Overlay "1" at 92.329,39.243 h1.27 r270; Top Overlay "2" at 94.869,39.243 h1.27 r270
USB0: Top Overlay "VCC" at 92.329,5.708 h1.52 r180